# EAGLE board working (EAGLE 7.5.0), part 4 of 8
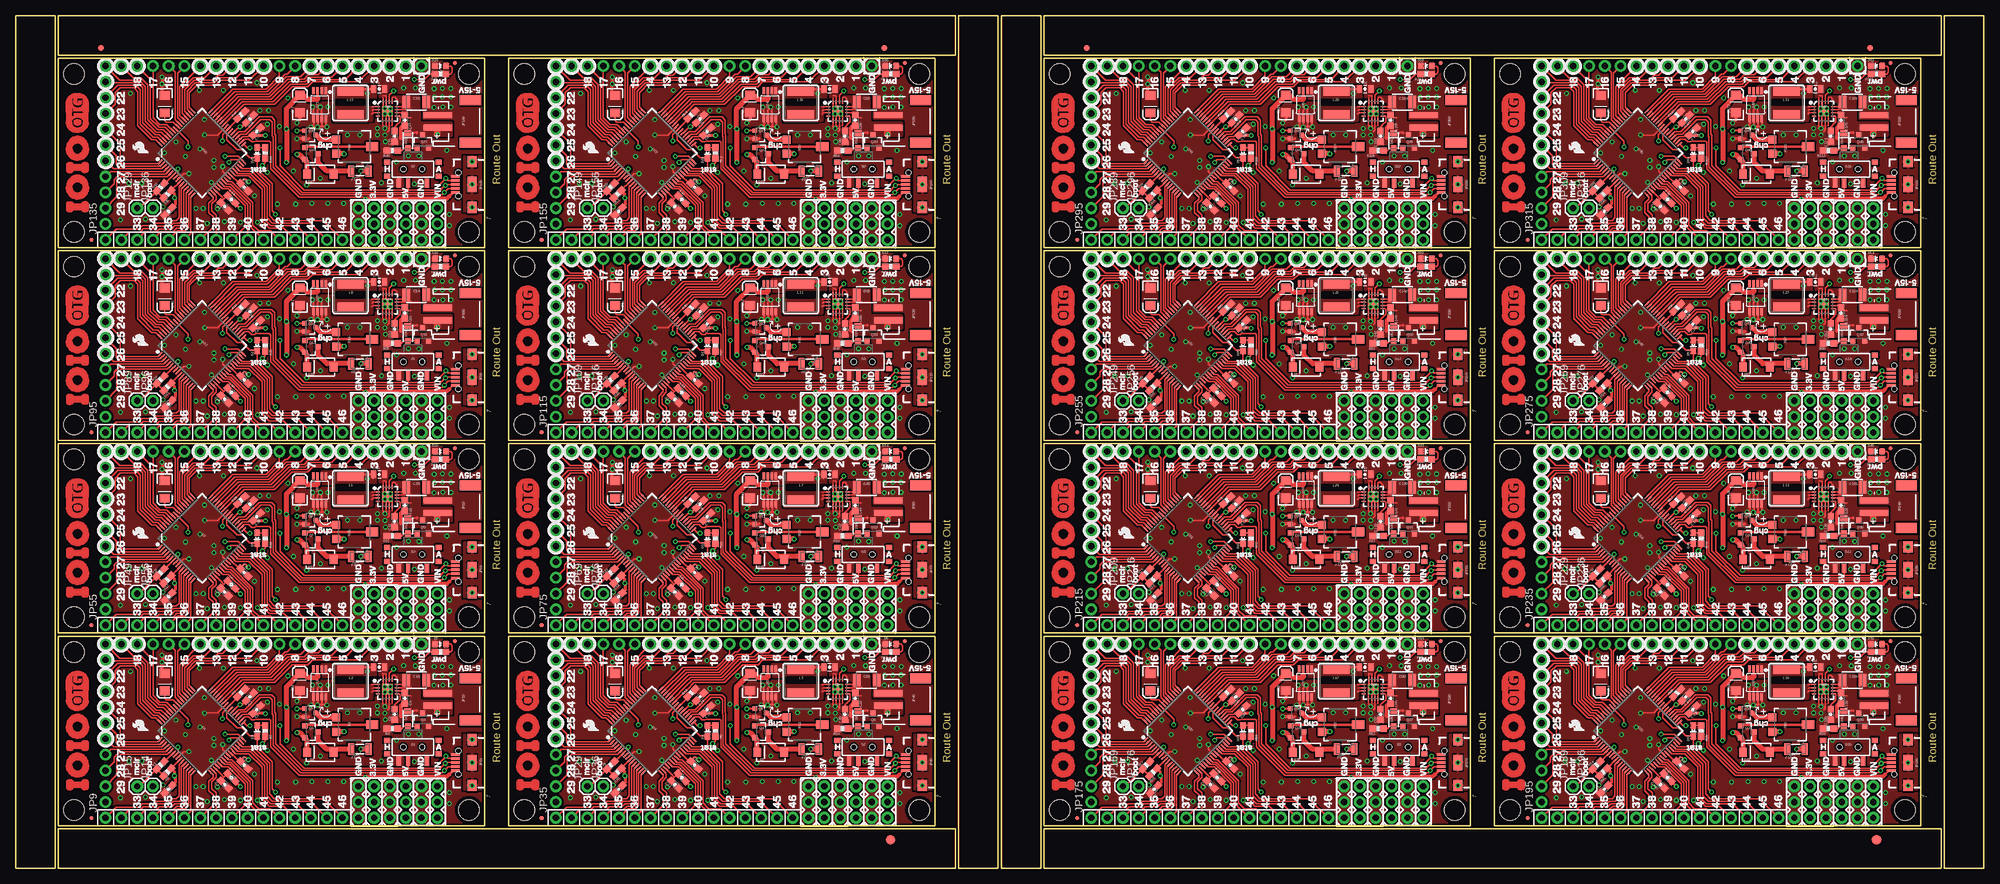
[diagram p0: board, top side]
## Tracks (layer width: path | path; a pad name or v marks a point on that pad's centre or on a via) (continued)
3.3V9  (via drill 0.38 pad 0.64) (continued)
  Bottom 0.508: v274.45,20.57 arc90 274.35,20.68 | 260.58,19.46 260.58,18.64 | 260.58,19.46 261.29,18.75 261.42,18.75 | v274.46,25.96 273.39,24.89 v271.04,24.89 268.4,24.89 v266.98,26.31 | 266.19,18.54 266.29,18.64 | 266.7,18.54 266.8,18.54 | 260.58,19.46 260.58,21.13 v258.62,23.09 | 266.98,18.64 268.25,18.64 268.35,18.54 v268.35,17.45 | 266.8,18.54 266.8,18.64 266.88,18.64 | 269.65,19.15 270.41,19.91 | v267.03,13.16 267.03,18.54 266.8,18.54
  Bottom 0.813: JP181.3 JP181.2 JP181.1 288.54,19.2 287.17,20.57 v274.45,20.57 271.07,20.57 v270.56,20.07 270.41,19.91 269.14,18.64 268.25,18.64 266.88,18.64 266.29,18.64 260.58,18.64 260.2,18.64 v256.44,14.88
3.3V10  (via drill 0.38 pad 0.64)
  Top 0.203: U31.38 194.45,57.3 v194.59,57.3 | 196.49,55.75 C116.1 | U31.57 186.23,54.97 v186.23,54.08 | U31.10 R71.2 | v195.96,48.44 195.53,48.87 195.17,48.87 194.67,48.37 C113.1 194.41,48.2 U31.26 | R72.2 198.63,51.51 v198.17,51.05 | 197.02,55.88 196.96,55.94 C116.1 | U31.35 195,55.73 195.91,55.73 | 195.91,55.73 195.94,55.75 | 196.06,55.88 195.91,55.73 | 196.11,55.93 196.06,55.88 | 196.06,55.88 | 196.06,55.88 196.12,55.94 C116.1 | 207.07,62.41 207.06,62.41 207.06,61.98
  Top 0.406: U33.3 207.07,62.41
  Top 0.508: 198.68,52.38 arc90 R72.2 | v198.65,55.88 197.02,55.88 | v194.59,57.3 194.89,57.3 C112.1 | R71.2 184.05,46.52 v184.05,45.87 184.23,45.7 184.23,44.85 C114.1 | L22.2 193.83,44.96 v194.64,44.15
  Top 0.813: 207.06,62.1 207.06,61.98 207.06,61.72 205.49,61.72 204.85,62.36 C117.A | C117.A 204.22,62.09 | C117.A 202.07,60.22 v202.07,56.95 202.07,51.58 v202.06,51.56
  Bottom 0.254: 196.34,49.53 196.24,49.53 196.14,49.63 195.86,49.63
  Bottom 0.508: v202.06,51.56 arc90 201.96,51.66 | 188.19,50.45 188.19,49.63 | 188.19,50.45 188.9,49.73 189.03,49.73 | v202.07,56.95 201,55.88 v198.65,55.88 196.01,55.88 v194.59,57.3 | 193.8,49.53 193.9,49.63 | 194.31,49.53 194.41,49.53 | 188.19,50.45 188.19,52.12 v186.23,54.08 | 194.59,49.63 195.86,49.63 195.96,49.53 v195.96,48.44 | 194.41,49.53 194.41,49.63 194.49,49.63 | 197.26,50.14 198.02,50.9 | v194.64,44.15 194.64,49.53 194.41,49.53
  Bottom 0.813: JP201.3 JP201.2 JP201.1 216.15,50.19 214.78,51.56 v202.06,51.56 198.68,51.56 v198.17,51.05 198.02,50.9 196.75,49.63 195.86,49.63 194.49,49.63 193.9,49.63 188.19,49.63 187.81,49.63 v184.05,45.87
3.3V11  (via drill 0.38 pad 0.64)
  Top 0.203: U34.38 266.84,57.3 v266.98,57.3 | 268.88,55.75 C127.1 | U34.57 258.62,54.97 v258.62,54.08 | U34.10 R78.2 | v268.35,48.44 267.92,48.87 267.56,48.87 267.06,48.37 C124.1 266.8,48.2 U34.26 | R79.2 271.02,51.51 v270.56,51.05 | 269.41,55.88 269.35,55.94 C127.1 | U34.35 267.39,55.73 268.3,55.73 | 268.3,55.73 268.32,55.75 | 268.45,55.88 268.3,55.73 | 268.5,55.93 268.45,55.88 | 268.45,55.88 | 268.45,55.88 268.51,55.94 C127.1 | 279.46,62.41 279.45,62.41 279.45,61.98
  Top 0.406: U36.3 279.46,62.41
  Top 0.508: 271.07,52.38 arc90 R79.2 | v271.04,55.88 269.41,55.88 | v266.98,57.3 267.28,57.3 C123.1 | R78.2 256.44,46.52 v256.44,45.87 256.62,45.7 256.62,44.85 C125.1 | L24.2 266.22,44.96 v267.03,44.15
  Top 0.813: 279.45,62.1 279.45,61.98 279.45,61.72 277.88,61.72 277.24,62.36 C128.A | C128.A 276.61,62.09 | C128.A 274.46,60.22 v274.46,56.95 274.46,51.58 v274.45,51.56
  Bottom 0.254: 268.73,49.53 268.63,49.53 268.53,49.63 268.25,49.63
  Bottom 0.508: v274.45,51.56 arc90 274.35,51.66 | 260.58,50.45 260.58,49.63 | 260.58,50.45 261.29,49.73 261.42,49.73 | v274.46,56.95 273.39,55.88 v271.04,55.88 268.4,55.88 v266.98,57.3 | 266.19,49.53 266.29,49.63 | 266.7,49.53 266.8,49.53 | 260.58,50.45 260.58,52.12 v258.62,54.08 | 266.98,49.63 268.25,49.63 268.35,49.53 v268.35,48.44 | 266.8,49.53 266.8,49.63 266.88,49.63 | 269.65,50.14 270.41,50.9 | v267.03,44.15 267.03,49.53 266.8,49.53
  Bottom 0.813: JP221.3 JP221.2 JP221.1 288.54,50.19 287.17,51.56 v274.45,51.56 271.07,51.56 v270.56,51.05 270.41,50.9 269.14,49.63 268.25,49.63 266.88,49.63 266.29,49.63 260.58,49.63 260.2,49.63 v256.44,45.87
3.3V12  (via drill 0.38 pad 0.64)
  Top 0.203: U37.38 194.45,88.29 v194.59,88.29 | 196.49,86.74 C138.1 | U37.57 186.23,85.96 v186.23,85.06 | U37.10 R85.2 | v195.96,79.43 195.53,79.86 195.17,79.86 194.67,79.36 C135.1 194.41,79.19 U37.26 | R86.2 198.63,82.5 v198.17,82.04 | 197.02,86.87 196.96,86.93 C138.1 | U37.35 195,86.72 195.91,86.72 | 195.91,86.72 195.94,86.74 | 196.06,86.87 195.91,86.72 | 196.11,86.92 196.06,86.87 | 196.06,86.87 | 196.06,86.87 196.12,86.93 C138.1 | 207.07,93.4 207.06,93.4 207.06,92.96
  Top 0.406: U39.3 207.07,93.4
  Top 0.508: 198.68,83.37 arc90 R86.2 | v198.65,86.87 197.02,86.87 | v194.59,88.29 194.89,88.29 C134.1 | R85.2 184.05,77.5 v184.05,76.86 184.23,76.68 184.23,75.84 C136.1 | L26.2 193.83,75.95 v194.64,75.13
  Top 0.813: 207.06,93.09 207.06,92.96 207.06,92.71 205.49,92.71 204.85,93.35 C139.A | C139.A 204.22,93.08 | C139.A 202.07,91.2 v202.07,87.94 202.07,82.56 v202.06,82.55
  Bottom 0.254: 196.34,80.52 196.24,80.52 196.14,80.62 195.86,80.62
  Bottom 0.508: v202.06,82.55 arc90 201.96,82.65 | 188.19,81.43 188.19,80.62 | 188.19,81.43 188.9,80.72 189.03,80.72 | v202.07,87.94 201,86.87 v198.65,86.87 196.01,86.87 v194.59,88.29 | 193.8,80.52 193.9,80.62 | 194.31,80.52 194.41,80.52 | 188.19,81.43 188.19,83.11 v186.23,85.06 | 194.59,80.62 195.86,80.62 195.96,80.52 v195.96,79.43 | 194.41,80.52 194.41,80.62 194.49,80.62 | 197.26,81.13 198.02,81.89 | v194.64,75.13 194.64,80.52 194.41,80.52
  Bottom 0.813: JP241.3 JP241.2 JP241.1 216.15,81.18 214.78,82.55 v202.06,82.55 198.68,82.55 v198.17,82.04 198.02,81.89 196.75,80.62 195.86,80.62 194.49,80.62 193.9,80.62 188.19,80.62 187.81,80.62 v184.05,76.86
3.3V13  (via drill 0.38 pad 0.64)
  Top 0.203: U40.38 266.84,88.29 v266.98,88.29 | 268.88,86.74 C149.1 | U40.57 258.62,85.96 v258.62,85.06 | U40.10 R92.2 | v268.35,79.43 267.92,79.86 267.56,79.86 267.06,79.36 C146.1 266.8,79.19 U40.26 | R93.2 271.02,82.5 v270.56,82.04 | 269.41,86.87 269.35,86.93 C149.1 | U40.35 267.39,86.72 268.3,86.72 | 268.3,86.72 268.32,86.74 | 268.45,86.87 268.3,86.72 | 268.5,86.92 268.45,86.87 | 268.45,86.87 | 268.45,86.87 268.51,86.93 C149.1 | 279.46,93.4 279.45,93.4 279.45,92.96
  Top 0.406: U42.3 279.46,93.4
  Top 0.508: 271.07,83.37 arc90 R93.2 | v271.04,86.87 269.41,86.87 | v266.98,88.29 267.28,88.29 C145.1 | R92.2 256.44,77.5 v256.44,76.86 256.62,76.68 256.62,75.84 C147.1 | L28.2 266.22,75.95 v267.03,75.13
  Top 0.813: 279.45,93.09 279.45,92.96 279.45,92.71 277.88,92.71 277.24,93.35 C150.A | C150.A 276.61,93.08 | C150.A 274.46,91.2 v274.46,87.94 274.46,82.56 v274.45,82.55
  Bottom 0.254: 268.73,80.52 268.63,80.52 268.53,80.62 268.25,80.62
  Bottom 0.508: v274.45,82.55 arc90 274.35,82.65 | 260.58,81.43 260.58,80.62 | 260.58,81.43 261.29,80.72 261.42,80.72 | v274.46,87.94 273.39,86.87 v271.04,86.87 268.4,86.87 v266.98,88.29 | 266.19,80.52 266.29,80.62 | 266.7,80.52 266.8,80.52 | 260.58,81.43 260.58,83.11 v258.62,85.06 | 266.98,80.62 268.25,80.62 268.35,80.52 v268.35,79.43 | 266.8,80.52 266.8,80.62 266.88,80.62 | 269.65,81.13 270.41,81.89 | v267.03,75.13 267.03,80.52 266.8,80.52
  Bottom 0.813: JP261.3 JP261.2 JP261.1 288.54,81.18 287.17,82.55 v274.45,82.55 271.07,82.55 v270.56,82.04 270.41,81.89 269.14,80.62 268.25,80.62 266.88,80.62 266.29,80.62 260.58,80.62 260.2,80.62 v256.44,76.86
3.3V14  (via drill 0.38 pad 0.64)
  Top 0.203: U43.38 194.45,119.28 v194.59,119.28 | 196.49,117.73 C160.1 | U43.57 186.23,116.94 v186.23,116.05 | U43.10 R99.2 | v195.96,110.41 195.53,110.85 195.17,110.85 194.67,110.35 C157.1 194.41,110.18 U43.26 | R100.2 198.63,113.49 v198.17,113.03 | 197.02,117.86 196.96,117.92 C160.1 | U43.35 195,117.7 195.91,117.7 | 195.91,117.7 195.94,117.73 | 196.06,117.86 195.91,117.7 | 196.11,117.91 196.06,117.86 | 196.06,117.86 | 196.06,117.86 196.12,117.92 C160.1 | 207.07,124.39 207.06,124.38 207.06,123.95
  Top 0.406: U45.3 207.07,124.39
  Top 0.508: 198.68,114.36 arc90 R100.2 | v198.65,117.86 197.02,117.86 | v194.59,119.28 194.89,119.28 C156.1 | R99.2 184.05,108.49 v184.05,107.85 184.23,107.67 184.23,106.83 C158.1 | L30.2 193.83,106.93 v194.64,106.12
  Top 0.813: 207.06,124.08 207.06,123.95 207.06,123.7 205.49,123.7 204.85,124.34 C161.A | C161.A 204.22,124.06 | C161.A 202.07,122.19 v202.07,118.92 202.07,113.55 v202.06,113.54
  Bottom 0.254: 196.34,111.51 196.24,111.51 196.14,111.61 195.86,111.61
  Bottom 0.508: v202.06,113.54 arc90 201.96,113.64 | 188.19,112.42 188.19,111.61 | 188.19,112.42 188.9,111.71 189.03,111.71 | v202.07,118.92 201,117.86 v198.65,117.86 196.01,117.86 v194.59,119.28 | 193.8,111.51 193.9,111.61 | 194.31,111.51 194.41,111.51 | 188.19,112.42 188.19,114.1 v186.23,116.05 | 194.59,111.61 195.86,111.61 195.96,111.51 v195.96,110.41 | 194.41,111.51 194.41,111.61 194.49,111.61 | 197.26,112.12 198.02,112.88 | v194.64,106.12 194.64,111.51 194.41,111.51
  Bottom 0.813: JP281.3 JP281.2 JP281.1 216.15,112.16 214.78,113.54 v202.06,113.54 198.68,113.54 v198.17,113.03 198.02,112.88 196.75,111.61 195.86,111.61 194.49,111.61 193.9,111.61 188.19,111.61 187.81,111.61 v184.05,107.85
3.3V15  (via drill 0.38 pad 0.64)
  Top 0.203: U46.38 266.84,119.28 v266.98,119.28 | 268.88,117.73 C171.1 | U46.57 258.62,116.94 v258.62,116.05 | U46.10 R106.2 | v268.35,110.41 267.92,110.85 267.56,110.85 267.06,110.35 C168.1 266.8,110.18 U46.26 | R107.2 271.02,113.49 v270.56,113.03 | 269.41,117.86 269.35,117.92 C171.1 | U46.35 267.39,117.7 268.3,117.7 | 268.3,117.7 268.32,117.73 | 268.45,117.86 268.3,117.7 | 268.5,117.91 268.45,117.86 | 268.45,117.86 | 268.45,117.86 268.51,117.92 C171.1 | 279.46,124.39 279.45,124.38 279.45,123.95
  Top 0.406: U48.3 279.46,124.39
  Top 0.508: 271.07,114.36 arc90 R107.2 | v271.04,117.86 269.41,117.86 | v266.98,119.28 267.28,119.28 C167.1 | R106.2 256.44,108.49 v256.44,107.85 256.62,107.67 256.62,106.83 C169.1 | L32.2 266.22,106.93 v267.03,106.12
  Top 0.813: 279.45,124.08 279.45,123.95 279.45,123.7 277.88,123.7 277.24,124.34 C172.A | C172.A 276.61,124.06 | C172.A 274.46,122.19 v274.46,118.92 274.46,113.55 v274.45,113.54
  Bottom 0.254: 268.73,111.51 268.63,111.51 268.53,111.61 268.25,111.61
  Bottom 0.508: v274.45,113.54 arc90 274.35,113.64 | 260.58,112.42 260.58,111.61 | 260.58,112.42 261.29,111.71 261.42,111.71 | v274.46,118.92 273.39,117.86 v271.04,117.86 268.4,117.86 v266.98,119.28 | 266.19,111.51 266.29,111.61 | 266.7,111.51 266.8,111.51 | 260.58,112.42 260.58,114.1 v258.62,116.05 | 266.98,111.61 268.25,111.61 268.35,111.51 v268.35,110.41 | 266.8,111.51 266.8,111.61 266.88,111.61 | 269.65,112.12 270.41,112.88 | v267.03,106.12 267.03,111.51 266.8,111.51
  Bottom 0.813: JP301.3 JP301.2 JP301.1 288.54,112.16 287.17,113.54 v274.45,113.54 271.07,113.54 v270.56,113.03 270.41,112.88 269.14,111.61 268.25,111.61 266.88,111.61 266.29,111.61 260.58,111.61 260.2,111.61 v256.44,107.85
5V  (via drill 0.38 pad 0.64)
  Top 0.203: v64.14,33.91 65.66,33.91 66.55,34.8 R9.2 | 57.42,31.75 57.68,32 | U2.14 60.08,31.35 v60.79,32.06
  Top 0.406: 54.12,32.37 C6.1
  Top 0.813: D1.C 46.87,20.65 Q1.2 45.67,21.84 v45.21,21.84 | v52.83,21.97 R3.A
  Bottom 0.203: v60.79,32.06 60.33,31.6 56.64,31.6 arc-90 v56.57,31.68 56.57,33.05 57.17,33.66 63.88,33.66 v64.14,33.91
  Bottom 0.762: v56.57,31.68 56.57,22.3 57.85,21.02
  Bottom 0.813: JP4.3 JP4.2 JP4.1 62.74,16.13 57.85,21.02 56.9,21.97 v52.83,21.97 45.34,21.97 v45.21,21.84
  pour Top (isolate 0.254, no thermals): 57.75,30.73 49.34,30.73 arc-90 49.09,30.99 49.09,32.64 arc-90 49.34,32.89 57.98,32.9 arc-90 57.98,32.89 58.01,30.99 arc-90
5V1  (via drill 0.38 pad 0.64)
  Top 0.203: v136.53,33.91 138.05,33.91 138.94,34.8 R11.2 | 129.81,31.75 130.07,32 | U5.14 132.47,31.35 v133.18,32.06
  Top 0.406: 126.51,32.37 C19.1
  Top 0.813: D7.C 119.26,20.65 Q4.2 118.06,21.84 v117.6,21.84 | v125.22,21.97 R13.A
  Bottom 0.203: v133.18,32.06 132.72,31.6 129.03,31.6 arc-90 v128.96,31.68 128.96,33.05 129.56,33.66 136.27,33.66 v136.53,33.91
  Bottom 0.762: v128.96,31.68 128.96,22.3 130.24,21.02
  Bottom 0.813: JP23.3 JP23.2 JP23.1 135.13,16.13 130.24,21.02 129.29,21.97 v125.22,21.97 117.73,21.97 v117.6,21.84
  pour Top (isolate 0.254, no thermals): 130.14,30.73 121.73,30.73 arc-90 121.48,30.99 121.48,32.64 arc-90 121.73,32.89 130.37,32.9 arc-90 130.37,32.89 130.4,30.99 arc-90
5V2  (via drill 0.38 pad 0.64)
  Top 0.203: v64.14,64.9 65.66,64.9 66.55,65.79 R18.2 | 57.42,62.74 57.68,62.99 | U8.14 60.08,62.34 v60.79,63.05
  Top 0.406: 54.12,63.35 C30.1
  Top 0.813: D11.C 46.87,51.63 Q7.2 45.67,52.83 v45.21,52.83 | v52.83,52.96 R20.A
  Bottom 0.203: v60.79,63.05 60.33,62.59 56.64,62.59 arc-90 v56.57,62.67 56.57,64.04 57.17,64.64 63.88,64.64 v64.14,64.9
  Bottom 0.762: v56.57,62.67 56.57,53.29 57.85,52.01
  Bottom 0.813: JP43.3 JP43.2 JP43.1 62.74,47.12 57.85,52.01 56.9,52.96 v52.83,52.96 45.34,52.96 v45.21,52.83
  pour Top (isolate 0.254, no thermals): 57.75,61.72 49.34,61.72 arc-90 49.09,61.98 49.09,63.63 arc-90 49.34,63.88 57.98,63.89 arc-90 57.98,63.88 58.01,61.98 arc-90
5V3  (via drill 0.38 pad 0.64)
  Top 0.203: v136.53,64.9 138.05,64.9 138.94,65.79 R25.2 | 129.81,62.74 130.07,62.99 | U11.14 132.47,62.34 v133.18,63.05
  Top 0.406: 126.51,63.35 C41.1
  Top 0.813: D15.C 119.26,51.63 Q10.2 118.06,52.83 v117.6,52.83 | v125.22,52.96 R27.A
  Bottom 0.203: v133.18,63.05 132.72,62.59 129.03,62.59 arc-90 v128.96,62.67 128.96,64.04 129.56,64.64 136.27,64.64 v136.53,64.9
  Bottom 0.762: v128.96,62.67 128.96,53.29 130.24,52.01
  Bottom 0.813: JP63.3 JP63.2 JP63.1 135.13,47.12 130.24,52.01 129.29,52.96 v125.22,52.96 117.73,52.96 v117.6,52.83
  pour Top (isolate 0.254, no thermals): 130.14,61.72 121.73,61.72 arc-90 121.48,61.98 121.48,63.63 arc-90 121.73,63.88 130.37,63.89 arc-90 130.37,63.88 130.4,61.98 arc-90
5V4  (via drill 0.38 pad 0.64)
  Top 0.203: v64.14,95.89 65.66,95.89 66.55,96.77 R32.2 | 57.42,93.73 57.68,93.98 | U14.14 60.08,93.32 v60.79,94.04
  Top 0.406: 54.12,94.34 C52.1
  Top 0.813: D19.C 46.87,82.62 Q13.2 45.67,83.82 v45.21,83.82 | v52.83,83.95 R34.A
  Bottom 0.203: v60.79,94.04 60.33,93.58 56.64,93.58 arc-90 v56.57,93.66 56.57,95.03 57.17,95.63 63.88,95.63 v64.14,95.89
  Bottom 0.762: v56.57,93.66 56.57,84.28 57.85,83
  Bottom 0.813: JP83.3 JP83.2 JP83.1 62.74,78.11 57.85,83 56.9,83.95 v52.83,83.95 45.34,83.95 v45.21,83.82
  pour Top (isolate 0.254, no thermals): 57.75,92.71 49.34,92.71 arc-90 49.09,92.96 49.09,94.61 arc-90 49.34,94.87 57.98,94.88 arc-90 57.98,94.87 58.01,92.96 arc-90
5V5  (via drill 0.38 pad 0.64)
  Top 0.203: v136.53,95.89 138.05,95.89 138.94,96.77 R39.2 | 129.81,93.73 130.07,93.98 | U17.14 132.47,93.32 v133.18,94.04
  Top 0.406: 126.51,94.34 C63.1
  Top 0.813: D23.C 119.26,82.62 Q16.2 118.06,83.82 v117.6,83.82 | v125.22,83.95 R41.A
  Bottom 0.203: v133.18,94.04 132.72,93.58 129.03,93.58 arc-90 v128.96,93.66 128.96,95.03 129.56,95.63 136.27,95.63 v136.53,95.89
  Bottom 0.762: v128.96,93.66 128.96,84.28 130.24,83
  Bottom 0.813: JP103.3 JP103.2 JP103.1 135.13,78.11 130.24,83 129.29,83.95 v125.22,83.95 117.73,83.95 v117.6,83.82
  pour Top (isolate 0.254, no thermals): 130.14,92.71 121.73,92.71 arc-90 121.48,92.96 121.48,94.61 arc-90 121.73,94.87 130.37,94.88 arc-90 130.37,94.87 130.4,92.96 arc-90
5V6  (via drill 0.38 pad 0.64)
  Top 0.203: v64.14,126.87 65.66,126.87 66.55,127.76 R46.2 | 57.42,124.71 57.68,124.97 | U20.14 60.08,124.31 v60.79,125.02
  Top 0.406: 54.12,125.33 C74.1
  Top 0.813: D27.C 46.87,113.61 Q19.2 45.67,114.81 v45.21,114.81 | v52.83,114.94 R48.A
  Bottom 0.203: v60.79,125.02 60.33,124.57 56.64,124.57 arc-90 v56.57,124.64 56.57,126.01 57.17,126.62 63.88,126.62 v64.14,126.87
  Bottom 0.762: v56.57,124.64 56.57,115.27 57.85,113.98
  Bottom 0.813: JP123.3 JP123.2 JP123.1 62.74,109.1 57.85,113.98 56.9,114.94 v52.83,114.94 45.34,114.94 v45.21,114.81
  pour Top (isolate 0.254, no thermals): 57.75,123.7 49.34,123.7 arc-90 49.09,123.95 49.09,125.6 arc-90 49.34,125.86 57.98,125.86 arc-90 57.98,125.85 58.01,123.95 arc-90
5V7  (via drill 0.38 pad 0.64)
  Top 0.203: v136.53,126.87 138.05,126.87 138.94,127.76 R53.2 | 129.81,124.71 130.07,124.97 | U23.14 132.47,124.31 v133.18,125.02
  Top 0.406: 126.51,125.33 C85.1
  Top 0.813: D31.C 119.26,113.61 Q22.2 118.06,114.81 v117.6,114.81 | v125.22,114.94 R55.A
  Bottom 0.203: v133.18,125.02 132.72,124.57 129.03,124.57 arc-90 v128.96,124.64 128.96,126.01 129.56,126.62 136.27,126.62 v136.53,126.87
  Bottom 0.762: v128.96,124.64 128.96,115.27 130.24,113.98
  Bottom 0.813: JP143.3 JP143.2 JP143.1 135.13,109.1 130.24,113.98 129.29,114.94 v125.22,114.94 117.73,114.94 v117.6,114.81
  pour Top (isolate 0.254, no thermals): 130.14,123.7 121.73,123.7 arc-90 121.48,123.95 121.48,125.6 arc-90 121.73,125.86 130.37,125.86 arc-90 130.37,125.85 130.4,123.95 arc-90
5V8  (via drill 0.38 pad 0.64)
  Top 0.203: v222.63,33.91 224.16,33.91 225.04,34.8 R60.2 | 215.92,31.75 216.17,32 | U26.14 218.57,31.35 v219.28,32.06
  Top 0.406: 212.61,32.37 C96.1
  Top 0.813: D35.C 205.37,20.65 Q25.2 204.17,21.84 v203.71,21.84 | v211.33,21.97 R62.A
  Bottom 0.203: v219.28,32.06 218.83,31.6 215.14,31.6 arc-90 v215.06,31.68 215.06,33.05 215.67,33.66 222.38,33.66 v222.63,33.91
  Bottom 0.762: v215.06,31.68 215.06,22.3 216.35,21.02
  Bottom 0.813: JP163.3 JP163.2 JP163.1 221.23,16.13 216.35,21.02 215.4,21.97 v211.33,21.97 203.84,21.97 v203.71,21.84
  pour Top (isolate 0.254, no thermals): 216.25,30.73 207.84,30.73 arc-90 207.58,30.99 207.58,32.64 arc-90 207.84,32.89 216.47,32.9 arc-90 216.47,32.89 216.5,30.99 arc-90
5V9  (via drill 0.38 pad 0.64)
  Top 0.203: v295.02,33.91 296.55,33.91 297.43,34.8 R67.2 | 288.31,31.75 288.56,32 | U29.14 290.96,31.35 v291.67,32.06
  Top 0.406: 285,32.37 C107.1
  Top 0.813: D39.C 277.76,20.65 Q28.2 276.56,21.84 v276.1,21.84 | v283.72,21.97 R69.A
  Bottom 0.203: v291.67,32.06 291.22,31.6 287.53,31.6 arc-90 v287.45,31.68 287.45,33.05 288.06,33.66 294.77,33.66 v295.02,33.91
  Bottom 0.762: v287.45,31.68 287.45,22.3 288.74,21.02
  Bottom 0.813: JP183.3 JP183.2 JP183.1 293.62,16.13 288.74,21.02 287.79,21.97 v283.72,21.97 276.23,21.97 v276.1,21.84
  pour Top (isolate 0.254, no thermals): 288.64,30.73 280.23,30.73 arc-90 279.97,30.99 279.97,32.64 arc-90 280.23,32.89 288.86,32.9 arc-90 288.86,32.89 288.89,30.99 arc-90
5V10  (via drill 0.38 pad 0.64)
  Top 0.203: v222.63,64.9 224.16,64.9 225.04,65.79 R74.2 | 215.92,62.74 216.17,62.99 | U32.14 218.57,62.34 v219.28,63.05
  Top 0.406: 212.61,63.35 C118.1
  Top 0.813: D43.C 205.37,51.63 Q31.2 204.17,52.83 v203.71,52.83 | v211.33,52.96 R76.A
  Bottom 0.203: v219.28,63.05 218.83,62.59 215.14,62.59 arc-90 v215.06,62.67 215.06,64.04 215.67,64.64 222.38,64.64 v222.63,64.9
  Bottom 0.762: v215.06,62.67 215.06,53.29 216.35,52.01
  Bottom 0.813: JP203.3 JP203.2 JP203.1 221.23,47.12 216.35,52.01 215.4,52.96 v211.33,52.96 203.84,52.96 v203.71,52.83
  pour Top (isolate 0.254, no thermals): 216.25,61.72 207.84,61.72 arc-90 207.58,61.98 207.58,63.63 arc-90 207.84,63.88 216.47,63.89 arc-90 216.47,63.88 216.5,61.98 arc-90
5V11  (via drill 0.38 pad 0.64)
  Top 0.203: v295.02,64.9 296.55,64.9 297.43,65.79 R81.2 | 288.31,62.74 288.56,62.99 | U35.14 290.96,62.34 v291.67,63.05
  Top 0.406: 285,63.35 C129.1
  Top 0.813: D47.C 277.76,51.63 Q34.2 276.56,52.83 v276.1,52.83 | v283.72,52.96 R83.A
  Bottom 0.203: v291.67,63.05 291.22,62.59 287.53,62.59 arc-90 v287.45,62.67 287.45,64.04 288.06,64.64 294.77,64.64 v295.02,64.9
  Bottom 0.762: v287.45,62.67 287.45,53.29 288.74,52.01
  Bottom 0.813: JP223.3 JP223.2 JP223.1 293.62,47.12 288.74,52.01 287.79,52.96 v283.72,52.96 276.23,52.96 v276.1,52.83
  pour Top (isolate 0.254, no thermals): 288.64,61.72 280.23,61.72 arc-90 279.97,61.98 279.97,63.63 arc-90 280.23,63.88 288.86,63.89 arc-90 288.86,63.88 288.89,61.98 arc-90
5V12  (via drill 0.38 pad 0.64)
  Top 0.203: v222.63,95.89 224.16,95.89 225.04,96.77 R88.2 | 215.92,93.73 216.17,93.98 | U38.14 218.57,93.32 v219.28,94.04
  Top 0.406: 212.61,94.34 C140.1
  Top 0.813: D51.C 205.37,82.62 Q37.2 204.17,83.82 v203.71,83.82 | v211.33,83.95 R90.A
  Bottom 0.203: v219.28,94.04 218.83,93.58 215.14,93.58 arc-90 v215.06,93.66 215.06,95.03 215.67,95.63 222.38,95.63 v222.63,95.89
  Bottom 0.762: v215.06,93.66 215.06,84.28 216.35,83
  Bottom 0.813: JP243.3 JP243.2 JP243.1 221.23,78.11 216.35,83 215.4,83.95 v211.33,83.95 203.84,83.95 v203.71,83.82
  pour Top (isolate 0.254, no thermals): 216.25,92.71 207.84,92.71 arc-90 207.58,92.96 207.58,94.61 arc-90 207.84,94.87 216.47,94.88 arc-90 216.47,94.87 216.5,92.96 arc-90
5V13  (via drill 0.38 pad 0.64)
  Top 0.203: v295.02,95.89 296.55,95.89 297.43,96.77 R95.2 | 288.31,93.73 288.56,93.98 | U41.14 290.96,93.32 v291.67,94.04
  Top 0.406: 285,94.34 C151.1
  Top 0.813: D55.C 277.76,82.62 Q40.2 276.56,83.82 v276.1,83.82 | v283.72,83.95 R97.A
  Bottom 0.203: v291.67,94.04 291.22,93.58 287.53,93.58 arc-90 v287.45,93.66 287.45,95.03 288.06,95.63 294.77,95.63 v295.02,95.89
  Bottom 0.762: v287.45,93.66 287.45,84.28 288.74,83
  Bottom 0.813: JP263.3 JP263.2 JP263.1 293.62,78.11 288.74,83 287.79,83.95 v283.72,83.95 276.23,83.95 v276.1,83.82
  pour Top (isolate 0.254, no thermals): 288.64,92.71 280.23,92.71 arc-90 279.97,92.96 279.97,94.61 arc-90 280.23,94.87 288.86,94.88 arc-90 288.86,94.87 288.89,92.96 arc-90
5V14  (via drill 0.38 pad 0.64)
  Top 0.203: v222.63,126.87 224.16,126.87 225.04,127.76 R102.2 | 215.92,124.71 216.17,124.97 | U44.14 218.57,124.31 v219.28,125.02
  Top 0.406: 212.61,125.33 C162.1
  Top 0.813: D59.C 205.37,113.61 Q43.2 204.17,114.81 v203.71,114.81 | v211.33,114.94 R104.A
  Bottom 0.203: v219.28,125.02 218.83,124.57 215.14,124.57 arc-90 v215.06,124.64 215.06,126.01 215.67,126.62 222.38,126.62 v222.63,126.87
  Bottom 0.762: v215.06,124.64 215.06,115.27 216.35,113.98
  Bottom 0.813: JP283.3 JP283.2 JP283.1 221.23,109.1 216.35,113.98 215.4,114.94 v211.33,114.94 203.84,114.94 v203.71,114.81
  pour Top (isolate 0.254, no thermals): 216.25,123.7 207.84,123.7 arc-90 207.58,123.95 207.58,125.6 arc-90 207.84,125.86 216.47,125.86 arc-90 216.47,125.85 216.5,123.95 arc-90
5V15  (via drill 0.38 pad 0.64)
  Top 0.203: v295.02,126.87 296.55,126.87 297.43,127.76 R109.2 | 288.31,124.71 288.56,124.97 | U47.14 290.96,124.31 v291.67,125.02
  Top 0.406: 285,125.33 C173.1
  Top 0.813: D63.C 277.76,113.61 Q46.2 276.56,114.81 v276.1,114.81 | v283.72,114.94 R111.A
  Bottom 0.203: v291.67,125.02 291.22,124.57 287.53,124.57 arc-90 v287.45,124.64 287.45,126.01 288.06,126.62 294.77,126.62 v295.02,126.87
  Bottom 0.762: v287.45,124.64 287.45,115.27 288.74,113.98
  Bottom 0.813: JP303.3 JP303.2 JP303.1 293.62,109.1 288.74,113.98 287.79,114.94 v283.72,114.94 276.23,114.94 v276.1,114.81
  pour Top (isolate 0.254, no thermals): 288.64,123.7 280.23,123.7 arc-90 279.97,123.95 279.97,125.6 arc-90 280.23,125.86 288.86,125.86 arc-90 288.86,125.85 288.89,123.95 arc-90
ANCHOR1  (via drill 0.38)
  other vias: 73.41,17.02 73.41,20.7 73.41,13.34
  pour Top: 72.14,21.46 74.8,21.46 74.8,12.7 72.14,12.7
ANCHOR2  (via drill 0.38)
  other vias: 145.8,17.02 145.8,20.7 145.8,13.34
  pour Top: 144.53,21.46 147.19,21.46 147.19,12.7 144.53,12.7
ANCHOR3  (via drill 0.38)
  other vias: 73.41,48.01 73.41,51.69 73.41,44.32
  pour Top: 72.14,52.45 74.8,52.45 74.8,43.69 72.14,43.69
ANCHOR4  (via drill 0.38)
  other vias: 145.8,48.01 145.8,51.69 145.8,44.32
  pour Top: 144.53,52.45 147.19,52.45 147.19,43.69 144.53,43.69
ANCHOR5  (via drill 0.38)
  other vias: 73.41,78.99 73.41,82.68 73.41,75.31
  pour Top: 72.14,83.44 74.8,83.44 74.8,74.68 72.14,74.68
ANCHOR6  (via drill 0.38)
  other vias: 145.8,78.99 145.8,82.68 145.8,75.31
  pour Top: 144.53,83.44 147.19,83.44 147.19,74.68 144.53,74.68
ANCHOR7  (via drill 0.38)
  other vias: 73.41,109.98 73.41,113.67 73.41,106.3
  pour Top: 72.14,114.43 74.8,114.43 74.8,105.66 72.14,105.66
ANCHOR8  (via drill 0.38)
  other vias: 145.8,109.98 145.8,113.67 145.8,106.3
  pour Top: 144.53,114.43 147.19,114.43 147.19,105.66 144.53,105.66
ANCHOR9  (via drill 0.38)
  other vias: 231.9,17.02 231.9,20.7 231.9,13.34
  pour Top: 230.63,21.46 233.3,21.46 233.3,12.7 230.63,12.7
ANCHOR10  (via drill 0.38)
  other vias: 304.29,17.02 304.29,20.7 304.29,13.34
  pour Top: 303.02,21.46 305.69,21.46 305.69,12.7 303.02,12.7
ANCHOR11  (via drill 0.38)
  other vias: 231.9,48.01 231.9,51.69 231.9,44.32
  pour Top: 230.63,52.45 233.3,52.45 233.3,43.69 230.63,43.69
ANCHOR12  (via drill 0.38)
  other vias: 304.29,48.01 304.29,51.69 304.29,44.32
  pour Top: 303.02,52.45 305.69,52.45 305.69,43.69 303.02,43.69
ANCHOR13  (via drill 0.38)
  other vias: 231.9,78.99 231.9,82.68 231.9,75.31
  pour Top: 230.63,83.44 233.3,83.44 233.3,74.68 230.63,74.68
ANCHOR14  (via drill 0.38)
  other vias: 304.29,78.99 304.29,82.68 304.29,75.31
  pour Top: 303.02,83.44 305.69,83.44 305.69,74.68 303.02,74.68
ANCHOR15  (via drill 0.38)
  other vias: 231.9,109.98 231.9,113.67 231.9,106.3
  pour Top: 230.63,114.43 233.3,114.43 233.3,105.66 230.63,105.66
ANCHOR16  (via drill 0.38)